# KiCad board helios-panel.kicad_pcb (continued)
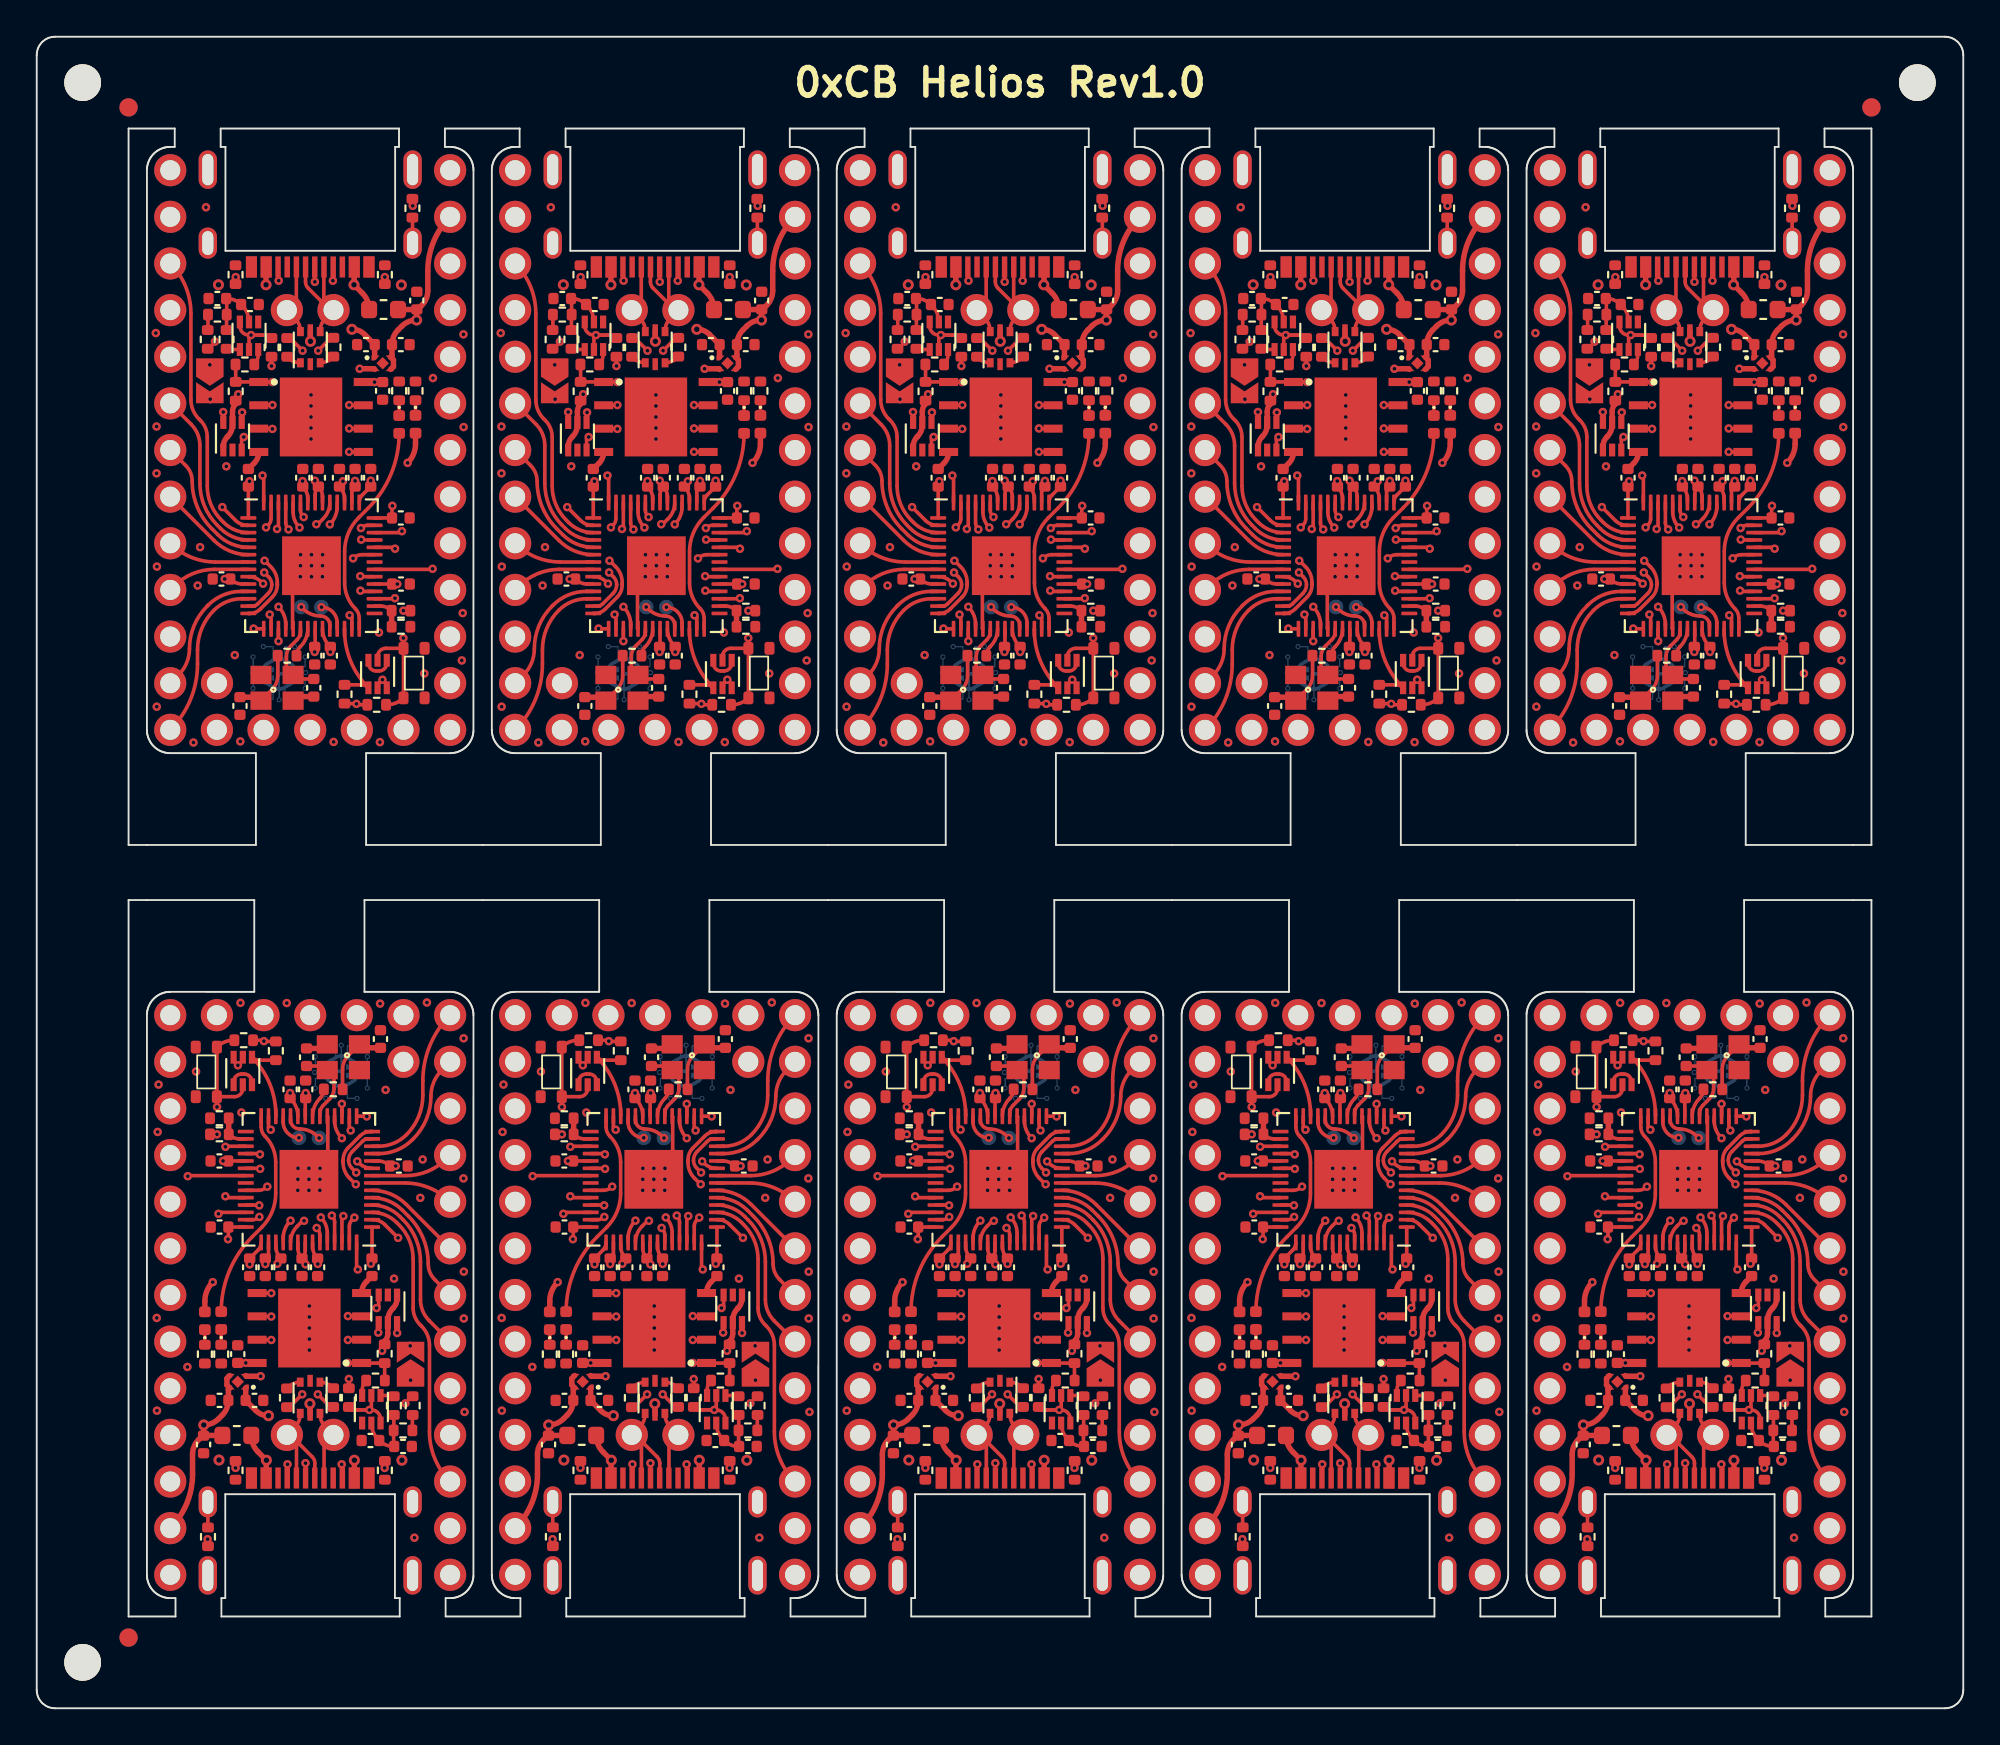
[diagram p0: board, top side]
## Routing (per net, layer and track width the routed paths; a pad name or vN(x,y) marks a point on that pad's centre or on a via; arc(x,y) is an arc through that point) (continued)
  In1.Cu w0.2: J2#6.26 26.92,20.84 arc(27.21,21.28) 27.31,21.8 arc(27.54,22.91) 28.16,23.85 30.91,26.59 v1(30.91,26.76)
Board_6-/BOOT: length 0.9
  Top w0.2: Q2#2.3 36.5,17.33 arc(36.56,17.61) R9#7.2
Board_6-/D+: length 12.7
  Top w0.2: v1(34.09,17.1) 34.77,16.41 R12#5.2 ; v1(33.34,26.55) 33.26,26.55 32.97,26.26 arc(32.7,25.85) U4.47
  In1.Cu w0.2: v1(34.09,17.1) 33.46,17.73 arc(32.98,18.45) 32.81,19.29 32.81,20.15 32.81,24.04 arc(32.85,24.23) 32.96,24.39 33.05,24.49 arc(33.16,24.65) 33.2,24.84 33.2,26.41 v1(33.34,26.55)
Board_6-/D-: length 12.7
  Top w0.2: v1(33.23,17.1) 32.53,16.4 R13#9.2 ; U4.46 32.2,25.59 arc(32.3,26.12) v1(32.6,26.56)
  In1.Cu w0.2: v1(33.23,17.1) 33.23,17.11 arc(33.2,17.3) 33.09,17.46 arc(32.55,18.27) 32.36,19.22 32.36,20.53 arc(32.33,20.6) 32.27,20.62 arc(32.21,20.65) 32.18,20.71 32.18,20.83 arc(32.21,20.9) 32.27,20.92 32.36,20.92 32.36,20.93 32.42,20.93 arc(32.47,20.95) 32.49,21 32.49,21.17 arc(32.47,21.22) 32.42,21.23 arc(32.38,21.25) 32.36,21.3 32.36,24.22 arc(32.4,24.41) 32.51,24.58 32.6,24.67 arc(32.71,24.83) 32.75,25.03 32.75,26.21 arc(32.71,26.4) 32.6,26.56 v1(32.6,26.56)
Board_6-/LED: length 11.7
  Top w0.2: U4.28 31,31.66 arc(31.05,31.39) 31.21,31.16 arc(31.64,30.51) 31.8,29.74 31.8,28.04 arc(31.6,27.04) 31.03,26.19 30.51,25.68 arc(29.26,23.81) D2#10.2
Board_6-/PORT+: length 7.1
  Top w0.2: 33.42,12.54 33.42,13.34 v1(33.41,13.35) ; U1#2.6 34.2,16.04 arc(34.28,15.66) 34.5,15.33 J2#6.34 34.42,14.38 34.42,12.54
  In1.Cu w0.2: J2#6.34 34.77,14.89 33.41,13.53 v1(33.41,13.35)
Board_6-/PORT-: length 7.1
  Top w0.2: J2#6.33 32.83,15.32 arc(33.05,15.65) 33.13,16.03 U1#2.4 ; J2#6.33 32.92,14.37 32.92,12.54 ; J2#6.33 32.59,14.89 33.78,13.7 arc(33.89,13.53) 33.92,13.34 33.92,12.54
Board_6-/QSPI_CLK: length 11.3
  Top w0.2: U4.52 34.6,25.89 arc(34.51,26.35) v1(34.25,26.73) ; v1(31.55,21.34) 31.54,21.35 U3#9.6
  In2.Cu w0.2: v1(34.25,26.73) 34.25,26.64 arc(34.71,25.94) 34.88,25.13 34.88,23.85 arc(34.7,23.43) 34.28,23.26 31.58,23.26 arc(31.22,23.11) 31.08,22.76 31.08,22.48 arc(31.2,21.86) v1(31.55,21.34)
Board_6-/QSPI_CS: length 9.8
  Top w0.2: v1(36.27,23.9) 36.2,23.97 36.2,25.35 ; R9#7.1 37.73,17.86 R11#9.2 36.48,18.8 U3#9.1 35.73,18.81 v1(35.73,18.81)
  In2.Cu w0.2: v1(36.27,23.9) arc(36.44,23.64) 36.5,23.34 36.5,20.68 arc(36.3,19.67) v1(35.73,18.81)
Board_6-/QSPI_SD0: length 11.3
  Top w0.2: v1(34.85,26.84) 34.85,26.83 arc(34.96,26.67) 35,26.48 U4.53 ; v1(31.55,22.61) 31.55,22.62 U3#9.5
  In2.Cu w0.2: v1(34.85,26.84) 34.85,26.76 arc(35.09,26.4) 35.17,25.98 35.17,23.8 arc(34.93,23.21) 34.34,22.96 33.51,22.96 arc(33.4,22.92) 33.35,22.81 33.35,22.56 arc(33.31,22.45) 33.2,22.41 arc(33.1,22.45) 33.05,22.56 33.05,22.81 arc(33.01,22.92) 32.91,22.96 arc(32.8,22.92) 32.76,22.81 32.76,22.56 arc(32.71,22.45) 32.6,22.41 arc(32.5,22.45) 32.45,22.56 32.45,22.81 arc(32.41,22.92) 32.3,22.96 arc(31.93,22.89) 31.61,22.67 v1(31.55,22.61)
Board_6-/QSPI_SD1: length 11.4
  Top w0.2: v1(36.08,26.72) 35.95,26.6 arc(35.84,26.43) 35.8,26.24 U4.55 ; U3#9.2 35.74,20.08 v1(35.73,20.06)
  In2.Cu w0.2: v1(36.08,26.72) 35.91,26.56 arc(35.81,26.41) 35.77,26.24 arc(35.82,26.13) 35.92,26.09 36.02,26.09 arc(36.13,26.05) 36.17,25.94 arc(36.13,25.83) 36.02,25.79 35.92,25.79 arc(35.82,25.75) 35.77,25.64 arc(35.82,25.53) 35.92,25.49 36.02,25.49 arc(36.13,25.45) 36.17,25.34 arc(36.13,25.23) 36.02,25.19 35.92,25.19 arc(35.82,25.15) 35.77,25.04 arc(35.82,24.93) 35.92,24.89 36.02,24.89 arc(36.13,24.85) 36.17,24.74 arc(36.13,24.63) 36.02,24.59 35.92,24.59 arc(35.82,24.55) 35.77,24.44 35.77,23.88 arc(35.81,23.69) 35.92,23.53 36.05,23.4 arc(36.16,23.23) 36.2,23.04 36.2,22.7 arc(36.16,22.6) 36.05,22.55 35.95,22.55 arc(35.84,22.51) 35.8,22.4 arc(35.84,22.3) 35.95,22.25 36.05,22.25 arc(36.16,22.21) 36.2,22.1 36.2,21.2 arc(36.08,20.59) v1(35.73,20.06)
Board_6-/QSPI_SD2: length 11.3
  Top w0.2: v1(35.48,26.81) 35.4,26.73 U4.54 ; v1(35.73,21.36) 35.74,21.35 U3#9.3
  In2.Cu w0.2: v1(35.48,26.81) 35.48,22.81 arc(35.43,22.7) 35.33,22.66 34.62,22.66 arc(34.52,22.62) 34.48,22.51 arc(34.52,22.4) 34.62,22.36 35.33,22.36 arc(35.43,22.32) 35.48,22.21 arc(35.43,22.1) 35.33,22.06 34.62,22.06 arc(34.52,22.02) 34.48,21.91 arc(34.52,21.8) 34.62,21.76 35.33,21.76 arc(35.43,21.72) 35.48,21.61 v1(35.73,21.36)
Board_6-/QSPI_SD3: length 11.4
  Top w0.2: v1(31.55,20.06) 31.53,20.08 U3#9.7 ; v1(34.02,26.16) 34.05,26.13 arc(34.16,25.97) 34.2,25.78 U4.51
  In2.Cu w0.2: v1(34.02,26.16) arc(34.43,25.55) 34.57,24.84 34.57,23.91 arc(34.48,23.68) 34.24,23.58 31.56,23.58 arc(30.98,23.34) 30.73,22.76 30.73,22.03 arc(30.95,20.96) v1(31.55,20.06)
Board_6-/RESET: length 24.7
  Top w0.2: v1(28.59,32.75) 28.59,32.76 SW1#2.2 ; SW1#2.2 29.55,33.31 arc(29.87,33.44) 30,33.76 Q1#3.2 29.99,33.96 ; SW1#2.2 SW1#2.2 arc(29.01,36.29) 29.5,36.39 R1#5.2
  In2.Cu w0.2: J2#6.28 arc(27.19,16.6) 27.59,18.61 27.59,30.33 arc(27.85,31.64) v1(28.59,32.75)
Board_6-/RGB_5V: length 17.5
  Top w0.2: U5#5.4 37.4,20.48 v1(37.38,20.46)
  In2.Cu w0.2: v1(37.38,20.46) arc(37.66,20.89) 37.76,21.39 37.76,24.88 arc(37.53,26.04) 36.87,27.02 35.6,28.29 arc(35.29,28.76) 35.18,29.31 arc(35.3,29.92) 35.65,30.44 37.56,32.34 arc(38.44,33.66) 38.74,35.21
Board_6-/RGB_DO: length 15.4
  Top w0.2: U4.37 30.85,28.21 arc(31.11,28.26) v1(31.34,28.41) ; U5#5.3 37.4,21.92 v1(37.28,21.8)
  In1.Cu w0.2: v1(37.28,21.8) 38.08,21.8 arc(38.73,22.07) 39.01,22.73 arc(38.86,23.46) 38.44,24.08 37.67,24.86 arc(37.23,25.51) 37.08,26.28 37.08,26.79 arc(36.89,27.25) 36.44,27.44 33.2,27.44 arc(32.38,27.6) 31.68,28.06 v1(31.34,28.41)
Board_6-/RST: length 4.9
  Top w0.2: U4.26 31.8,32.32 arc(31.46,34.02) Q1#3.4 30.51,35.45 arc(30.68,35.34) 30.87,35.3 R3#4.2
Board_6-/SWD_CLK: length 2.2
  Top w0.2: v1(34.16,31.06) 34.06,31.15 arc(33.62,31.45) 33.1,31.55 arc(32.75,31.7) 32.6,32.05 U4.24
Board_6-/SWD_IO: length 1.7
  Top w0.2: U4.25 32.2,31.92 arc(32.45,31.32) v1(33.05,31.07)
Board_6-/USB+: length 0.8
  Top w0.2: R12#5.1 34.87,17.48 arc(34.57,17.69) U1#2.1
Board_6-/USB-: length 0.8
  Top w0.2: R13#9.1 32.47,17.49 arc(32.77,17.69) U1#2.3
Board_6-GND: length 8.8
  Top w0.2: Q1#3.1 29.5,34.12 arc(29.63,34.42) 29.93,34.54 30.07,34.54 arc(30.37,34.42) 30.5,34.12 Q1#3.3 ; v1(33.6,28.81) 34.63,29.84 34.63,32.22 U4.19
  Top w0.3: C16#5.2 36.72,23.23 arc(36.54,22.95) U3#9.4 ; v1(30.98,18.09) 30.2,18.09 U2#5.2 ; C7#8.1 34.38,35.94 Y1#8.2
  vias: v1(25.31,21.26) v1(25.33,16.21) v1(25.41,33.97) v1(25.37,31.39) v1(26.98,18.59) v1(27.45,34.68) v1(28.09,9.21) v1(29.88,38.42) v1(29.92,32.45) v1(32.4,38.41) v1(33.01,29.41) v1(33,28.81) v1(32.99,28.21) v1(33.6,29.41) v1(33.6,28.21) v1(33.62,21.91) v1(33.62,21.31) v1(33.62,20.71) v1(33.62,20.11) v1(33.62,19.51) v1(34.2,29.41) v1(34.2,28.81) v1(34.2,28.21) v1(37.48,38.38) v1(37.77,33.68) v1(38.85,16.61) v1(39.34,9.29) v1(39.66,27.8) v1(39.8,29.89) v1(40.02,38.44) v1(42.02,36.49) v1(42.02,28.86) v1(42.03,23.78) v1(42.03,21.23) v1(42.08,16.14) v2(28.7,13.52) v2(38.66,13.51)
Board_6-Net-(C1-Pad1): length 3.7
  Top w0.2: 38.23,15.98 38.23,15.15 R5.1 38.22,14.29 38.24,14.26 38.21,14.26 arc(37.79,14.34) C2#3.1 37.37,14.65 arc(37.1,15.05) Q2#2.5
Board_6-Net-(C7-Pad2): length 4.1
  Top w0.2: C7#8.2 34.38,34.98 Y1#8.3 34.82,34.54 arc(34.93,34.38) 34.97,34.19 34.97,33.76 arc(34.9,33.45) 34.73,33.18 34.38,32.83 arc(34.25,32.64) 34.2,32.4 U4.20
Board_6-Net-(C8-Pad2): length 4
  Top w0.2: Y1#8.1 35.75,35.56 arc(35.52,35.21) 35.44,34.8 35.44,33.71
  Top w0.3: Y1#8.1 36.54,35.97 C8#7.2
Board_6-Net-(D1-Pad1): length 0.8
  Top w0.2: D1#5.1 R10.1
Board_6-Net-(D1-Pad2): length 24.2
  Top w0.2: JP1#6.2 39.12,19.48 v1(39.12,19.74)
  Top w0.3: D1#5.2 27.94,22.17 arc(28.05,22.73) v1(28.37,23.21)
  In1.Cu w0.2: v1(39.12,19.74) 39.13,19.74 arc(39.26,19.94) 39.3,20.17 39.3,22.84 arc(39.16,23.58) 38.74,24.21 37.99,24.96 arc(37.54,25.63) 37.38,26.42 37.38,26.81 arc(37.11,27.46) 36.46,27.74 33.18,27.74 arc(32.77,27.82) 32.43,28.05 31.72,28.76 arc(31.36,28.9) 31.01,28.76 30.99,28.74 arc(30.85,28.39) 30.99,28.03 31.23,27.79 arc(31.59,26.92) 31.23,26.05 28.39,23.21 v1(28.37,23.21)
Board_6-Net-(D2-Pad1): length 0.8
  Top w0.2: D2#10.1 R15#9.1
Board_6-Net-(FB1-Pad1): length 1.4
  Top w0.2: 28.1,11.24 28.1,9.86 FB1#2.1
Board_6-Net-(J1-PadA5): length 4.1
  Top w0.2: v1(32.44,13.29) 32.42,13.28 32.42,12.54 ; R7#10.2 v1(29.6,13.09)
  In1.Cu w0.2: v1(29.6,13.09) 29.71,12.99 31.7,12.99 arc(32.1,13.06) v1(32.44,13.29)
Board_6-Net-(J1-PadB5): length 3.6
  Top w0.2: R8#3.2 37.73,13.1 v1(37.73,13.09) ; 35.42,12.54 35.42,13.25 v1(35.39,13.29)
  In1.Cu w0.2: v1(37.73,13.09) 37.62,12.99 36.11,12.99 arc(35.72,13.06) v1(35.39,13.29)
Board_6-Net-(Q1-Pad5): length 28.5
  Top w0.2: 36.25,16.25 37,16.25 arc(37.35,16.1) 37.5,15.75 Q2#2.6 ; 36.25,16.25 35.94,16.25 R2.2 ; 36.25,16.25 v1(36.89,16.25) 37,16.36 Q2#2.2 ; Q1#3.5 30,35.29 v1(29.73,35.02) 29.5,35.26 Q1#3.6
  In2.Cu w0.2: v1(36.89,16.25) 37.01,16.37 arc(37.12,16.54) 37.16,16.73 37.16,18.81 arc(37.12,19) 37.01,19.16 36.98,19.2 arc(36.85,19.4) 36.8,19.63 36.8,22.2 arc(36.88,22.59) 37.1,22.92 arc(37.37,23.32) 37.46,23.79 37.46,24.77 arc(37.23,25.92) 36.58,26.89 35.33,28.14 arc(35,28.64) 34.88,29.22 34.88,31.62 arc(33.89,34.02) 31.48,35.02 29.74,35.02 v1(29.73,35.02)
Board_6-Net-(Q2-Pad1): length 0.7
  Top w0.2: Q2#2.1 38.19,17.04 R4#2.1
Board_6-Net-(R5-Pad2): length 0.8
  Top w0.2: 39.25,15.98 39.23,15.96 R5.2
Board_6-Net-(R14-Pad2): length 1.6
  Top w0.2: R14#7.2 arc(34.36,33.45) 34.22,33.23 34.2,33.21 arc(33.9,32.77) U4.21
Board_6-VBUS: length 28.7
  Top w0.2: v1(28.59,31.26) R16#8.1
  Top w0.3: v2(36.08,13.51) 36.08,12.54 ; 31.27,12.54 31.27,13.5 v2(31.28,13.51) 30.84,13.96 arc(30.56,14.37) F1#7.1
  In2.Cu w0.2: v1(28.59,31.26) arc(28.07,30.48) 27.89,29.56 27.89,21.7 arc(28.77,17.27) v2(31.28,13.51)
  In2.Cu w0.3: v2(36.08,13.51) arc(35.81,12.86) 35.16,12.59 32.2,12.59 arc(31.55,12.86) v2(31.28,13.51)
Board_7-+1V1: length 15.7
  Top w0.2: v1(52.86,24.2) 52.86,24.21 C17#9.1 arc(52.65,24.8) 52.58,25.16 U4#4.50 ; v1(50.67,24.21) 50.86,24.4 C10#5.2 arc(50.65,24.8) 50.58,25.16 U4#4.45 ; v1(51.36,33.51) C19#6.1 51.39,33.2 arc(51.68,32.76) U4#4.23
  In2.Cu w0.2: v1(52.86,24.2) 51.83,25.24 ; 51.83,25.24 51.3,25.76 arc(51.01,26.2) 50.91,26.72 50.91,32.43 arc(51.02,33.01) v1(51.36,33.51) ; 51.83,25.24 50.8,24.21 v1(50.67,24.21)
Board_7-+3V3: length 20.5
  Top w0.2: 48.97,29.81 C12.1 v1(47.7,29.81) ; R3#3.1 49.94,36.32 v1(49.93,36.34) 49.88,36.39 R1#9.1 ; v1(52.19,24.18) 52,24.37 C14#2.1 ; U4#4.1 55.82,24.5 C16#3.1 55.81,24.27 v1(55.75,24.21) ; v1(57.11,29.54) C15#7.1 arc(56.5,29.74) 56.14,29.81 U4#4.10 ; v1(47.98,25.55) 47.99,25.57 C13#8.1 48.97,26.21 ; R2#7.1 v1(54.56,17.94) ; C6#8.1 v1(48.95,18.81) 48.95,18.81 U3#2.8 ; v1(49.16,24.18) C18#6.1 49.61,24.95 arc(49.73,25.14) U4#4.43 ; v1(50,24.19) C9#7.2 50.12,24.62 arc(50.16,24.68) 50.18,24.76 U4#4.44 ; v1(56.36,19.47) 56.36,19.68 R11#10.1 ; U4#4.48 51.78,25.04 arc(51.84,24.75) C14#2.1 ; U4#4.22 52.18,33.21 C11#2.1 ; U4#4.49 52.18,24.92 arc(52.13,24.69) C14#2.1
  Top w0.3: R11#10.1 56.5,20 56.56,20.05 arc(56.65,20.23) 56.68,20.42 U5#8.5 56.68,21.13 arc(56.75,21.48) 56.95,21.78 56.96,21.79 arc(57.12,22.03) 57.18,22.32 U5#8.1 ; U2#8.1 48.94,16.78 ; C5#5.1 49.49,16.21 arc(49.81,16) 50.17,15.93
  vias: v1(52.2,33.51) v1(57.02,23.4) v1(57.92,17.87) v2(50.18,15.94)
Board_7-+5V: length 25.1
  Top w0.3: 46.66,14.86 C3#6.1 46.59,14.85 46.38,14.63 arc(46.13,14.26) 46.05,13.83 46.05,12.74 arc(45.73,11.16) J2#2.30 ; 46.66,14.86 v2(46.66,15.43) arc(47.09,15.52) 47.46,15.76 47.66,15.97 arc(47.91,16.34) C4#7.1 47.99,17.38 U2#8.4 47.92,17.6 47.92,17.97 U2#8.3 ; 46.66,14.86 F1#9.2 ; v2(52.44,16.59) 52.44,16.58 52.44,15.98 ; v1(57.19,20.44) 57.18,20.45 U5#8.6
  In1.Cu w0.3: v1(57.19,20.44) 57.19,20.16 arc(56.91,18.77) 56.12,17.6 arc(54.99,16.84) 53.66,16.58 52.45,16.58 v2(52.44,16.59) 49.46,16.59 arc(47.94,16.29) v2(46.66,15.43)
Board_7-/0_TX0: length 18.4
  Top w0.2: U4#4.2 55.87,26.61 arc(56.22,26.54) 56.51,26.34 v1(57.23,25.62)
  In1.Cu w0.2: J2#2.2 60.07,10.38 arc(60.03,10.57) 59.92,10.73 59.89,10.77 arc(59,12.1) 58.69,13.68 58.69,22.91 arc(58.5,23.82) 57.99,24.59 57.43,25.15 arc(57.29,25.37) v1(57.23,25.62)
Board_7-/1_RX0: length 16.4
  Top w0.2: J2#2.3 arc(59.24,13.6) 58.94,15.07 58.94,19.77 arc(58.83,20.33) 58.51,20.81 58.43,20.9 arc(58.15,21.31) 58.06,21.8 58.06,24.47 arc(57.85,25.48) 57.28,26.33 57.16,26.45 arc(56.55,26.87) U4#4.3
Board_7-/2_SDA1: length 9.4
  Top w0.2: J2#2.6 58.93,21.11 arc(58.58,21.64) 58.45,22.26 58.45,24.33 arc(58.21,25.56) 57.51,26.6 57.33,26.78 arc(56.64,27.25) U4#4.4
Board_7-/3_SCL1: length 7.3
  Top w0.2: J2#2.7 59.23,23.35 arc(58.97,23.74) 58.88,24.21 arc(58.6,25.61) 57.8,26.8 57.48,27.12 arc(56.72,27.63) U4#4.5
Board_7-/4: length 5.4
  Top w0.2: J2#2.8 57.68,27.44 arc(56.83,28.01) U4#4.6
Board_7-/5: length 4.5
  Top w0.2: U4#4.7 57.61,28.61 arc(58.94,28.34) J2#2.9
Board_7-/6: length 4.6
  Top w0.2: U4#4.8 57.66,29.01 arc(58.85,29.25) 59.86,29.92 J2#2.10
Board_7-/7: length 6.9
  Top w0.2: U4#4.9 55.78,29.41 arc(55.42,29.48) 55.12,29.69 v1(55.02,29.79)
  In2.Cu w0.2: v1(55.02,29.79) 56.36,31.13 arc(58.06,32.27) J2#2.11
Board_7-/8: length 7.3
  Top w0.2: U4#4.11 56.2,30.21 arc(57.17,30.4) 58,30.95 58.07,31.02 arc(58.78,32.08) 59.03,33.34 arc(59.18,34.1) 59.61,34.75 J2#2.12
Board_7-/9: length 9.2
  Top w0.2: U4#4.12 56.18,30.61 arc(57,30.77) 57.69,31.24 arc(58.35,32.23) 58.58,33.39 58.58,34.16 arc(58.97,36.11) J2#2.13
Board_7-/10: length 26.5
  Top w0.2: v1(54.95,29.18) 54.72,29.42 arc(54.59,29.61) 54.54,29.84 arc(54.59,30.1) 54.74,30.32 55.31,30.89 arc(55.44,30.98) 55.59,31.01 U4#4.13
  In2.Cu w0.2: v1(54.95,29.18) 54.99,29.18 58.27,25.9 arc(58.68,25.28) 58.83,24.56 58.83,10.28 arc(59.15,8.65) J2#2.1
Board_7-/11: length 38
  Top w0.2: U4#4.14 55.73,31.41 arc(55.43,31.35) 55.17,31.18 54.52,30.53 arc(54.31,30.22) 54.24,29.86 54.24,29.73 arc(54.33,29.26) 54.6,28.87 54.92,28.54 v1(54.94,28.54)
  In1.Cu w0.2: v1(54.94,28.54) 54.94,28.35 arc(55.03,28.13) 55.25,28.04 arc(56.11,27.68) 56.46,26.82 56.46,26.59 arc(56.63,25.76) 57.1,25.06 57.76,24.4 arc(58.22,23.7) 58.39,22.88 58.39,14.39 arc(57.83,13.06) 56.5,12.51 47.22,12.51 arc(46.39,12.17) 46.05,11.33 46.05,10.2 arc(45.73,8.62) J2#2.31
Board_7-/12: length 6.6
  Top w0.2: v1(55.53,32.23) 55.52,32.25 U4#4.15
  In1.Cu w0.2: v1(55.53,32.23) 55.53,32.92 arc(56.05,35.53) J2#2.14
Board_7-/13: length 7.2
  Top w0.2: U4#4.16 54.58,31.55 v1(54.66,31.47)
  In1.Cu w0.2: J2#2.15 54.99,32.28 arc(54.9,31.84) v1(54.66,31.47)
Board_7-/14: length 6
  Top w0.2: U4#4.17 54.18,32.92 v1(54.17,32.92)
  In1.Cu w0.2: v1(54.17,32.92) 54.17,33.59 arc(53.73,35.84) J2#2.16
Board_7-/15: length 9.5
  Top w0.2: U4#4.18 53.78,32 arc(53.88,31.49) v1(54.17,31.05)
  In1.Cu w0.2: J2#2.17 52.45,35.21 arc(53.28,33.96) 53.58,32.5 arc(53.73,31.71) v1(54.17,31.05)
Board_7-/16: length 7.9
  Top w0.2: U4#4.27 50.18,31.64 v1(50.31,31.51)
  In1.Cu w0.2: J2#2.18 47.97,37.15 arc(49.7,34.56) v1(50.31,31.51)
Board_7-/20_SDI: length 4.9
  Top w0.2: v1(47.84,30.58) 47.87,30.61 U4#4.31
  In1.Cu w0.2: J2#2.21 46.27,31.23 arc(46.99,30.75) v1(47.84,30.58)
Board_7-/21_CS: length 10.1
  Top w0.2: v1(49.72,30.17) 49.67,30.21 U4#4.32
  In1.Cu w0.2: J2#2.19 47.73,34.85 arc(49.03,33.02) 49.66,30.88 49.66,30.22 v1(49.72,30.17)
Board_7-/22_SCK: length 5.9
  Top w0.2: U4#4.34 49.69,29.41 v1(49.72,29.38)
  In1.Cu w0.2: v1(49.72,29.38) 49.68,29.34 46.75,29.34 arc(45.71,29.54) J2#2.22
Board_7-/23_SDO: length 9.8
  Top w0.2: U4#4.35 45.81,29.01 v1(45.78,28.98)
  In2.Cu w0.2: v1(45.78,28.98) 45.91,29.11 45.91,32.83 arc(45.68,34.03) 45,35.04 J2#2.20
Board_7-/A0: length 4.2
  Top w0.2: U4#4.38 47.91,27.81 v1(47.83,27.89)
  In1.Cu w0.2: v1(47.83,27.89) 45.54,27.89 arc(45.16,27.81) J2#2.23
Board_7-/A1: length 6.5
  Top w0.2: v1(49.67,27.39) 49.66,27.41 U4#4.39
  In1.Cu w0.2: J2#2.24 46.93,27.15 arc(47.22,27.34) 47.56,27.41 49.65,27.41 v1(49.67,27.39)
Board_7-/A2: length 6.8
  Top w0.2: U4#4.40 47.53,27.01 v1(47.45,26.93)
  In1.Cu w0.2: J2#2.25 46.19,23.87 arc(47.13,25.27) v1(47.45,26.93)
Board_7-/A3: length 9.4
  Top w0.2: v1(49.69,26.76) 49.68,26.76 arc(49.52,26.65) 49.33,26.61 U4#4.41
  In1.Cu w0.2: J2#2.26 45.7,20.84 arc(45.99,21.28) 46.09,21.8 arc(46.32,22.91) 46.94,23.85 49.69,26.59 v1(49.69,26.76)
Board_7-/BOOT: length 0.9
  Top w0.2: Q2#10.3 55.28,17.33 arc(55.34,17.61) 55.5,17.85
Board_7-/D+: length 12.7
  Top w0.2: v1(52.86,17.1) 53.56,16.41 R12#9.2 ; v1(52.11,26.55) 52.04,26.55 51.75,26.26 arc(51.48,25.85) U4#4.47
  In1.Cu w0.2: v1(52.86,17.1) 52.24,17.73 arc(51.76,18.45) 51.59,19.29 51.59,20.15 51.59,24.04 arc(51.63,24.23) 51.74,24.39 51.83,24.49 arc(51.94,24.65) 51.98,24.84 51.98,26.41 v1(52.11,26.55)
Board_7-/D-: length 12.7
  Top w0.2: v1(52.02,17.1) 51.31,16.4 R13#2.2 ; U4#4.46 50.98,25.59 arc(51.08,26.12) v1(51.38,26.56)
  In1.Cu w0.2: v1(52.02,17.1) 52.02,17.11 arc(51.98,17.3) 51.87,17.46 arc(51.33,18.27) 51.14,19.22 51.14,20.53 arc(51.11,20.6) 51.05,20.62 arc(50.99,20.65) 50.96,20.71 50.96,20.83 arc(50.99,20.9) 51.05,20.92 51.14,20.92 51.14,20.93 51.2,20.93 arc(51.25,20.95) 51.27,21 51.27,21.17 arc(51.25,21.22) 51.2,21.23 arc(51.16,21.25) 51.14,21.3 51.14,24.22 arc(51.18,24.41) 51.29,24.58 51.38,24.67 arc(51.49,24.83) 51.53,25.03 51.53,26.21 arc(51.49,26.4) 51.38,26.56 v1(51.38,26.56)
Board_7-/LED: length 11.7
  Top w0.2: U4#4.28 49.78,31.66 arc(49.83,31.39) 49.99,31.16 arc(50.42,30.51) 50.58,29.74 50.58,28.04 arc(50.38,27.04) 49.81,26.19 49.29,25.68 arc(48.04,23.81) D2#6.2
Board_7-/PORT+: length 7.1
  Top w0.2: 52.2,12.54 52.2,13.34 v1(52.19,13.35) ; U1#6.6 52.98,16.04 arc(53.06,15.66) 53.28,15.33 J2#2.34 53.2,14.38 53.2,12.54
  In1.Cu w0.2: J2#2.34 53.56,14.89 52.19,13.53 v1(52.19,13.35)
Board_7-/PORT-: length 7.1
  Top w0.2: J2#2.33 51.61,15.32 arc(51.83,15.65) 51.91,16.03 U1#6.4 ; J2#2.33 51.7,14.37 51.7,12.54 ; J2#2.33 51.36,14.89 52.56,13.7 arc(52.67,13.53) 52.7,13.34 52.7,12.54
Board_7-/QSPI_CLK: length 11.3
  Top w0.2: U4#4.52 53.38,25.89 arc(53.29,26.35) v1(53.03,26.73) ; v1(50.33,21.34) 50.32,21.35 U3#2.6
  In2.Cu w0.2: v1(53.03,26.73) 53.03,26.64 arc(53.49,25.94) 53.66,25.13 53.66,23.85 arc(53.48,23.43) 53.06,23.26 50.36,23.26 arc(50,23.11) 49.86,22.76 49.86,22.48 arc(49.98,21.86) v1(50.33,21.34)
Board_7-/QSPI_CS: length 9.8
  Top w0.2: v1(55.05,23.9) 54.98,23.97 54.98,25.35 ; R9#9.1 56.5,17.86 R11#10.2 55.25,18.8 U3#2.1 54.51,18.81 v1(54.5,18.81)
  In2.Cu w0.2: v1(55.05,23.9) arc(55.22,23.64) 55.28,23.34 55.28,20.68 arc(55.08,19.67) v1(54.5,18.81)
Board_7-/QSPI_SD0: length 11.3
  Top w0.2: v1(53.63,26.84) 53.63,26.83 arc(53.74,26.67) 53.78,26.48 U4#4.53 ; v1(50.33,22.61) 50.33,22.62 U3#2.5
  In2.Cu w0.2: v1(53.63,26.84) 53.63,26.76 arc(53.87,26.4) 53.95,25.98 53.95,23.8 arc(53.71,23.21) 53.12,22.96 52.28,22.96 arc(52.18,22.92) 52.14,22.81 52.14,22.56 arc(52.09,22.45) 51.98,22.41 arc(51.88,22.45) 51.83,22.56 51.83,22.81 arc(51.79,22.92) 51.69,22.96 arc(51.58,22.92) 51.53,22.81 51.53,22.56 arc(51.49,22.45) 51.39,22.41 arc(51.28,22.45) 51.23,22.56 51.23,22.81 arc(51.19,22.92) 51.08,22.96 arc(50.71,22.89) 50.39,22.67 v1(50.33,22.61)
Board_7-/QSPI_SD1: length 11.4
  Top w0.2: v1(54.86,26.72) 54.73,26.6 arc(54.62,26.43) 54.58,26.24 U4#4.55 ; U3#2.2 54.52,20.08 v1(54.5,20.06)
  In2.Cu w0.2: v1(54.86,26.72) 54.69,26.56 arc(54.59,26.41) 54.56,26.24 arc(54.6,26.13) 54.7,26.09 54.81,26.09 arc(54.91,26.05) 54.95,25.94 arc(54.91,25.83) 54.81,25.79 54.7,25.79 arc(54.6,25.75) 54.56,25.64 arc(54.6,25.53) 54.7,25.49 54.81,25.49 arc(54.91,25.45) 54.95,25.34 arc(54.91,25.23) 54.81,25.19 54.7,25.19 arc(54.6,25.15) 54.56,25.04 arc(54.6,24.93) 54.7,24.89 54.81,24.89 arc(54.91,24.85) 54.95,24.74 arc(54.91,24.63) 54.81,24.59 54.7,24.59 arc(54.6,24.55) 54.56,24.44 54.56,23.88 arc(54.59,23.69) 54.7,23.53 54.83,23.4 arc(54.94,23.23) 54.98,23.04 54.98,22.7 arc(54.94,22.6) 54.83,22.55 54.73,22.55 arc(54.62,22.51) 54.58,22.4 arc(54.62,22.3) 54.73,22.25 54.83,22.25 arc(54.94,22.21) 54.98,22.1 54.98,21.2 arc(54.86,20.59) v1(54.5,20.06)
Board_7-/QSPI_SD2: length 11.3
  Top w0.2: v1(54.25,26.81) 54.18,26.73 U4#4.54 ; v1(54.5,21.36) 54.52,21.35 U3#2.3
  In2.Cu w0.2: v1(54.25,26.81) 54.25,22.81 arc(54.21,22.7) 54.11,22.66 53.41,22.66 arc(53.3,22.62) 53.25,22.51 arc(53.3,22.4) 53.41,22.36 54.11,22.36 arc(54.21,22.32) 54.25,22.21 arc(54.21,22.1) 54.11,22.06 53.41,22.06 arc(53.3,22.02) 53.25,21.91 arc(53.3,21.8) 53.41,21.76 54.11,21.76 arc(54.21,21.72) 54.25,21.61 v1(54.5,21.36)
Board_7-/QSPI_SD3: length 11.4
  Top w0.2: v1(50.33,20.06) 50.31,20.08 U3#2.7 ; v1(52.81,26.16) 52.83,26.13 arc(52.94,25.97) 52.98,25.78 U4#4.51
  In2.Cu w0.2: v1(52.81,26.16) arc(53.21,25.55) 53.35,24.84 53.35,23.91 arc(53.26,23.68) 53.02,23.58 50.34,23.58 arc(49.76,23.34) 49.52,22.76 49.52,22.03 arc(49.73,20.96) v1(50.33,20.06)
Board_7-/RESET: length 24.7
  Top w0.2: v1(47.38,32.75) 47.37,32.76 SW1.2 ; SW1.2 48.33,33.31 arc(48.65,33.44) 48.78,33.76 Q1#6.2 48.77,33.96 ; SW1.2 SW1.2 arc(47.79,36.29) 48.28,36.39 R1#9.2
  In2.Cu w0.2: J2#2.28 arc(45.97,16.6) 46.37,18.61 46.37,30.33 arc(46.63,31.64) v1(47.38,32.75)
Board_7-/RGB_5V: length 17.5
  Top w0.2: U5#8.4 56.18,20.48 v1(56.16,20.46)
  In2.Cu w0.2: v1(56.16,20.46) arc(56.44,20.89) 56.54,21.39 56.54,24.88 arc(56.31,26.04) 55.65,27.02 54.38,28.29 arc(54.07,28.76) 53.96,29.31 arc(54.08,29.92) 54.43,30.44 56.34,32.34 arc(57.22,33.66) J2#2.32
Board_7-/RGB_DO: length 15.4
  Top w0.2: U4#4.37 49.63,28.21 arc(49.89,28.26) v1(50.11,28.41) ; U5#8.3 56.18,21.92 v1(56.06,21.8)
  In1.Cu w0.2: v1(56.06,21.8) 56.86,21.8 arc(57.51,22.07) 57.78,22.73 arc(57.64,23.46) 57.22,24.08 56.45,24.86 arc(56.01,25.51) 55.86,26.28 55.86,26.79 arc(55.67,27.25) 55.22,27.44 51.98,27.44 arc(51.16,27.6) 50.46,28.06 v1(50.11,28.41)
Board_7-/RST: length 4.9
  Top w0.2: U4#4.26 50.58,32.32 arc(50.24,34.02) Q1#6.4 49.29,35.45 arc(49.46,35.34) 49.65,35.3 R3#3.2
Board_7-/SWD_CLK: length 2.2
  Top w0.2: v1(52.94,31.06) 52.84,31.15 arc(52.4,31.45) 51.88,31.55 arc(51.53,31.7) 51.38,32.05 U4#4.24
Board_7-/SWD_IO: length 1.7
  Top w0.2: U4#4.25 50.98,31.92 arc(51.23,31.32) v1(51.83,31.07)
Board_7-/USB+: length 0.8
  Top w0.2: R12#9.1 53.65,17.48 arc(53.35,17.69) U1#6.1
Board_7-/USB-: length 0.8
  Top w0.2: R13#2.1 51.25,17.49 arc(51.55,17.69) U1#6.3
Board_7-GND: length 8.8
  Top w0.2: Q1#6.1 48.28,34.12 arc(48.41,34.42) 48.71,34.54 48.85,34.54 arc(49.15,34.42) 49.28,34.12 Q1#6.3 ; v1(52.38,28.81) 53.41,29.84 53.41,32.22 U4#4.19
  Top w0.3: C16#3.2 55.5,23.23 arc(55.32,22.95) U3#2.4 ; v1(49.75,18.09) 48.98,18.09 U2#8.2 ; C7#9.1 53.16,35.94 Y1#7.2
  vias: v1(44.15,31.39) v1(44.09,21.26) v1(44.1,16.21) v1(44.2,33.97) v1(45.77,18.59) v1(46.23,34.68) v1(46.87,9.21) v1(48.66,38.42) v1(48.7,32.45) v1(51.17,38.41) v1(51.78,29.41) v1(51.78,28.81) v1(51.78,28.21) v1(52.38,29.41) v1(52.38,28.21) v1(52.41,21.91) v1(52.41,21.31) v1(52.41,20.71) v1(52.41,20.11) v1(52.41,19.51) v1(52.98,29.41) v1(52.98,28.81) v1(52.97,28.21) v1(56.25,38.38) v1(56.56,33.68) v1(57.64,16.61) v1(58.12,9.29) v1(58.44,27.8) v1(58.58,29.89) v1(58.81,38.44) v1(60.81,36.49) v1(60.8,28.86) v1(60.81,23.78) v1(60.81,21.23) v1(60.86,16.14) v2(47.48,13.52) v2(57.44,13.51)
Board_7-Net-(C1-Pad1): length 3.7
  Top w0.2: 57,15.98 57,15.15 57,15.14 57,14.29 C1#4.1 56.99,14.26 arc(56.57,14.34) C2#9.1 56.15,14.65 arc(55.88,15.05) Q2#10.5
Board_7-Net-(C7-Pad2): length 4.1
  Top w0.2: C7#9.2 53.16,34.98 Y1#7.3 53.6,34.54 arc(53.71,34.38) 53.75,34.19 53.75,33.76 arc(53.68,33.45) 53.51,33.18 53.16,32.83 arc(53.03,32.64) 52.98,32.4 U4#4.20
Board_7-Net-(C8-Pad2): length 4
  Top w0.2: Y1#7.1 54.53,35.56 arc(54.3,35.21) 54.22,34.8 R14#6.1
  Top w0.3: Y1#7.1 55.32,35.97 C8#2.2
Board_7-Net-(D1-Pad1): length 0.8
  Top w0.2: D1#9.1 R10#9.1
Board_7-Net-(D1-Pad2): length 24.2
  Top w0.2: JP1#8.2 57.89,19.48 v1(57.89,19.74)
  Top w0.3: D1#9.2 46.72,22.17 arc(46.83,22.73) v1(47.15,23.21)
  In1.Cu w0.2: v1(57.89,19.74) 57.91,19.74 arc(58.04,19.94) 58.08,20.17 58.08,22.84 arc(57.94,23.58) 57.52,24.21 56.77,24.96 arc(56.32,25.63) 56.16,26.42 56.16,26.81 arc(55.89,27.46) 55.24,27.74 51.96,27.74 arc(51.55,27.82) 51.21,28.05 50.5,28.76 arc(50.14,28.9) 49.79,28.76 49.77,28.74 arc(49.63,28.39) 49.77,28.03 50.01,27.79 arc(50.37,26.92) 50.01,26.05 47.17,23.21 v1(47.15,23.21)
Board_7-Net-(D2-Pad1): length 0.8
  Top w0.2: D2#6.1 R15#5.1
Board_7-Net-(FB1-Pad1): length 1.4
  Top w0.2: 46.88,11.24 46.88,9.86 FB1.1
Board_7-Net-(J1-PadA5): length 4.1
  Top w0.2: v1(51.22,13.29) 51.2,13.28 51.2,12.54 ; R7#9.2 v1(48.38,13.09)
  In1.Cu w0.2: v1(48.38,13.09) 48.49,12.99 50.48,12.99 arc(50.88,13.06) v1(51.22,13.29)
Board_7-Net-(J1-PadB5): length 3.6
  Top w0.2: R8#8.2 56.52,13.1 v1(56.5,13.09) ; 54.2,12.54 54.2,13.25 v1(54.17,13.29)
  In1.Cu w0.2: v1(56.5,13.09) 56.4,12.99 54.89,12.99 arc(54.5,13.06) v1(54.17,13.29)
Board_7-Net-(Q1-Pad5): length 28.5
  Top w0.2: 55.03,16.25 55.78,16.25 arc(56.13,16.1) 56.28,15.75 Q2#10.6 ; 55.03,16.25 54.72,16.25 R2#7.2 ; 55.03,16.25 v1(55.67,16.25) 55.78,16.36 Q2#10.2 ; Q1#6.5 48.78,35.29 v1(48.52,35.02) 48.28,35.26 Q1#6.6
  In2.Cu w0.2: v1(55.67,16.25) 55.79,16.37 arc(55.9,16.54) 55.94,16.73 55.94,18.81 arc(55.9,19) 55.79,19.16 55.76,19.2 arc(55.63,19.4) 55.58,19.63 55.58,22.2 arc(55.66,22.59) 55.88,22.92 arc(56.15,23.32) 56.24,23.79 56.24,24.77 arc(56.01,25.92) 55.36,26.89 54.11,28.14 arc(53.78,28.64) 53.66,29.22 53.66,31.62 arc(52.67,34.02) 50.26,35.02 48.52,35.02 v1(48.52,35.02)
